# KiCad board Mainboard Small.kicad_pcb (continued)
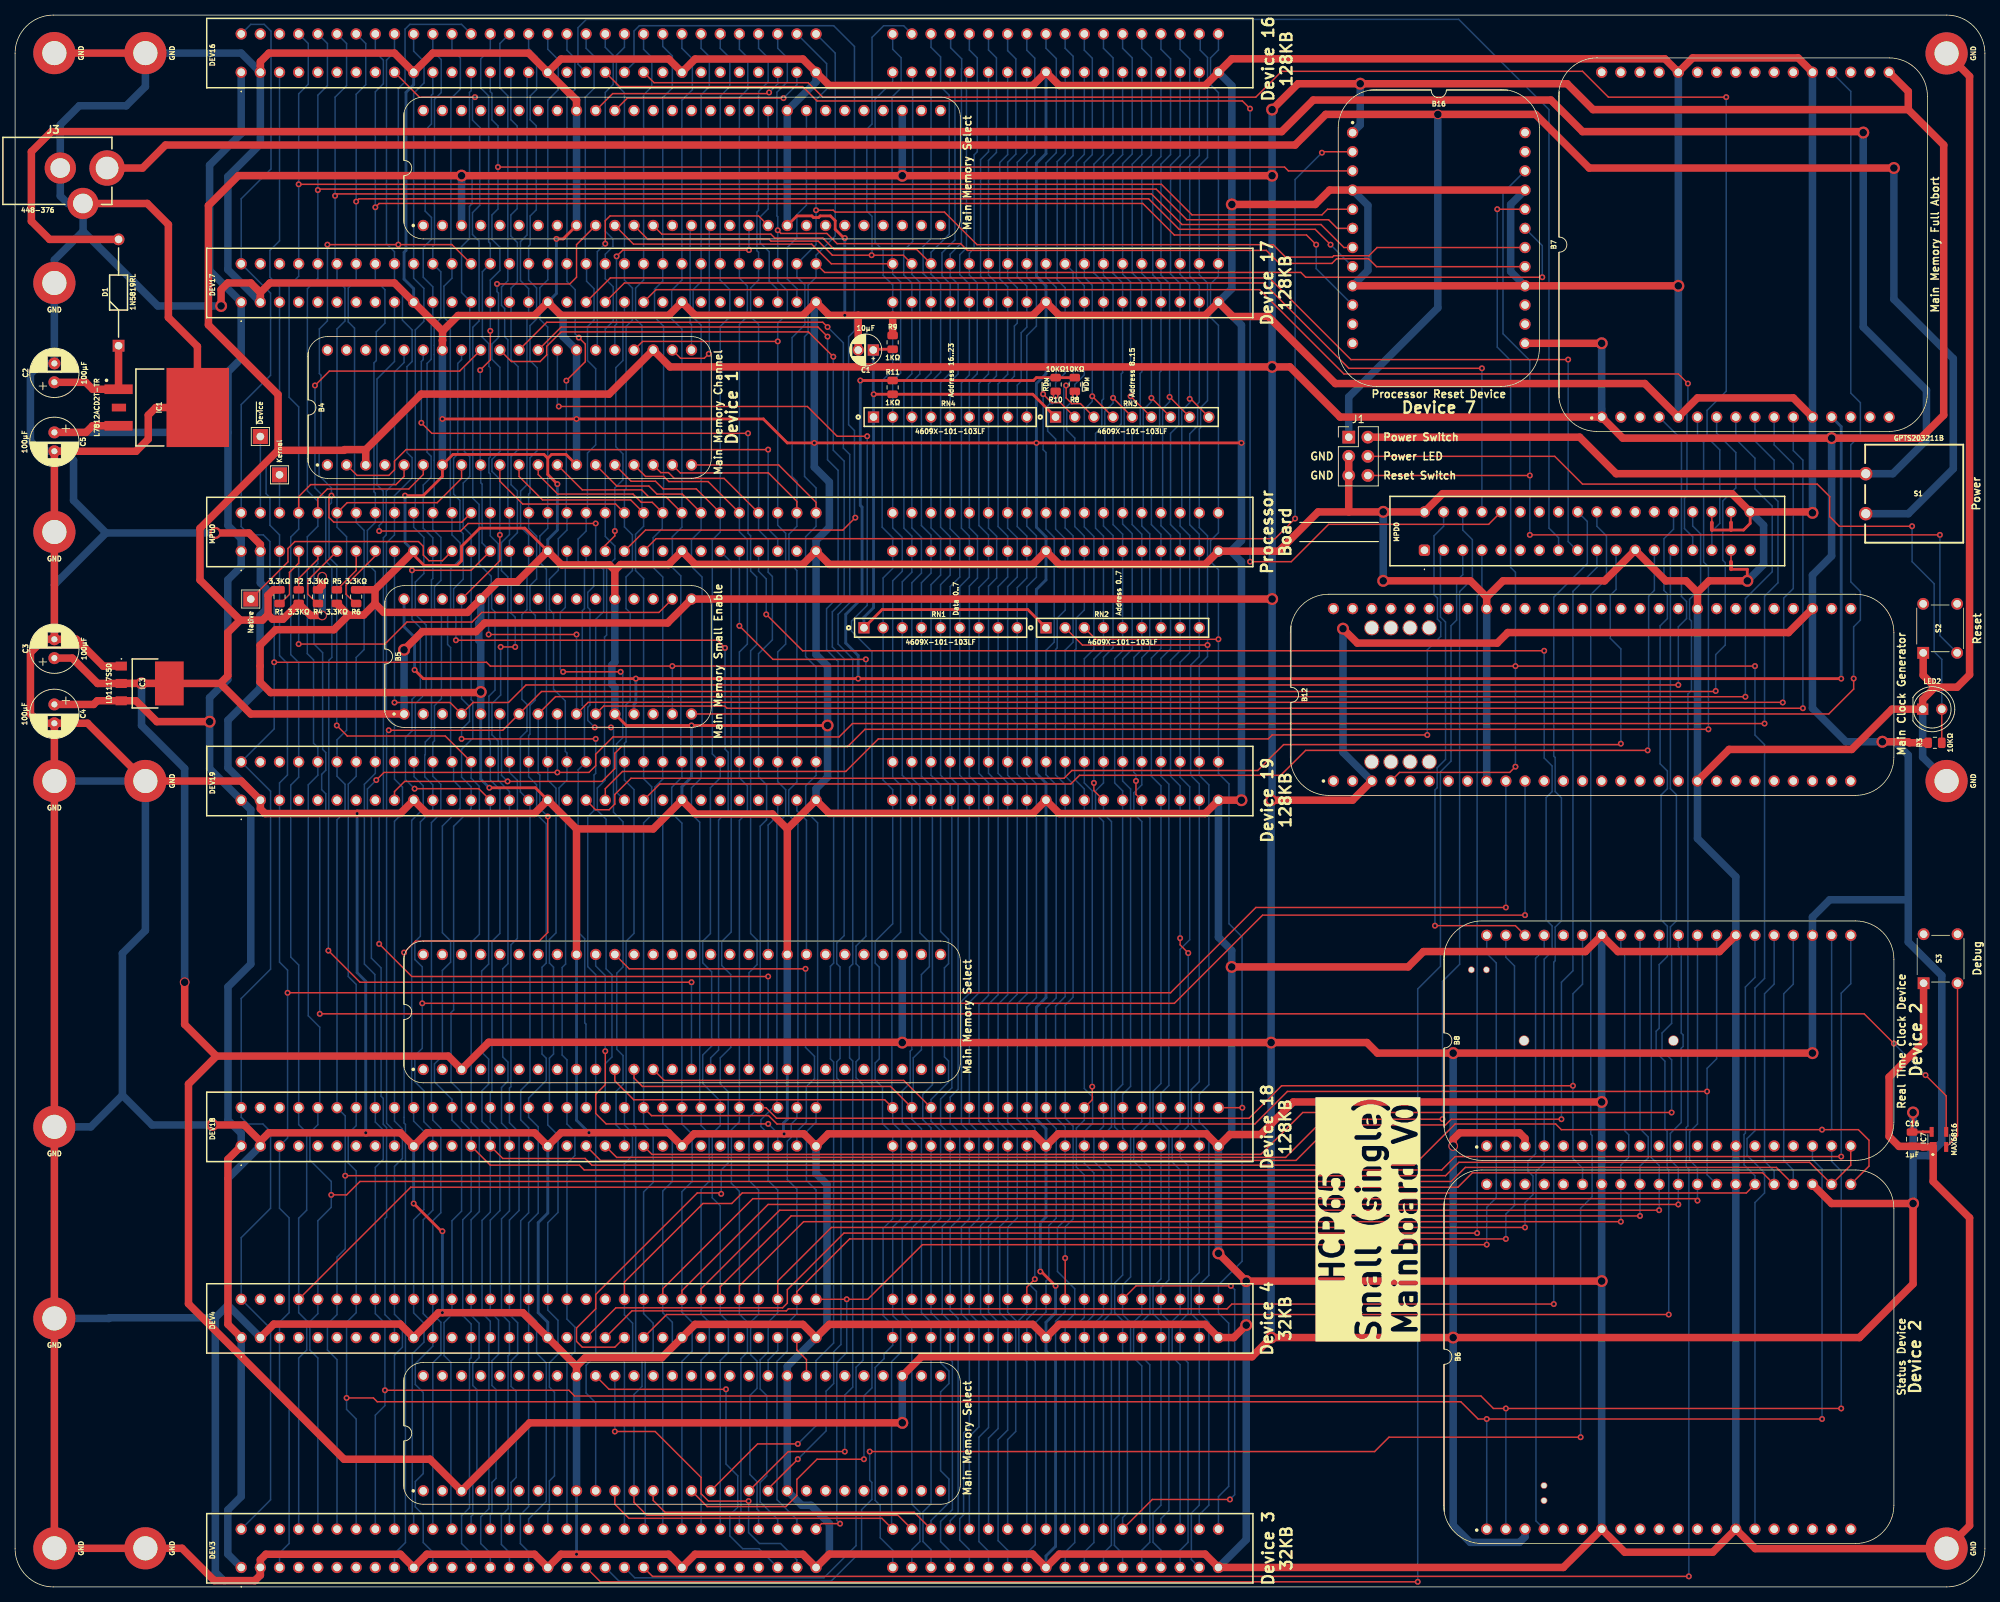
[diagram p0: board, top side]
## Routing (per net, layer and track width the routed paths; a pad name or vN(x,y) marks a point on that pad's centre or on a via; arc(x,y) is an arc through that point) (continued)
/DM1: length 204.2
  Bottom w0.2: DEV3.D7 131.57,4.87 130.3,6.14 130.3,19.52 131.57,20.79 DEV4.D7 131.57,35.31 130.52,36.36 130.52,47.76 131.57,48.81 DEV18.D7 131.57,60.49 130.3,61.76 130.3,77.26 131.57,78.53 DEV19.D7 131.57,106.6 130.3,107.87 RN1.8 130.3,132.64 131.57,133.91 MPU0.D7 131.57,139.33 130.3,140.6 130.3,159.52 131.57,160.79 DEV17.D7 131.57,172.39 130.52,173.44 130.52,188.86 131.57,189.91 DEV16.D7
/DM2: length 204.2
  Bottom w0.2: DEV3.D6 129.03,4.74 127.76,6.01 127.76,19.85 129.03,21.12 DEV4.D6 129.03,35.18 127.98,36.24 127.98,47.88 129.03,48.94 DEV18.D6 129.03,60.49 127.76,61.76 127.76,77.16 129.03,78.43 DEV19.D6 129.03,106.6 127.76,107.87 RN1.7 127.76,132.51 129.03,133.78 MPU0.D6 129.03,139.46 127.76,140.73 127.76,159.56 129.03,160.83 DEV17.D6 129.03,172.73 127.98,173.79 127.98,189.24 129.03,190.3 DEV16.D6
/DM3: length 203.5
  Bottom w0.2: DEV3.D5 126.49,4.94 125.22,6.21 125.22,9.06 125.73,9.57 125.73,20.41 126.49,21.18 DEV4.D5 126.49,35.18 125.44,36.24 125.44,47.76 126.49,48.81 DEV18.D5 126.49,60.33 125.44,61.38 125.44,77.64 126.49,78.69 DEV19.D5 126.49,106.35 125.22,107.62 RN1.6 125.22,132.64 126.49,133.91 MPU0.D5 126.49,139.33 125.44,140.38 125.44,159.65 126.49,160.7 DEV17.D5 126.49,172.74 125.22,174.01 125.22,176.64 126.11,177.53 126.11,200.46
/DM4: length 204.9
  Bottom w0.2: DEV19.D4 123.95,106.35 122.68,107.62 RN1.5 122.68,132.89 123.95,134.16 MPU0.D4 123.95,139.24 122.68,140.51 122.68,159.69 123.95,160.96 DEV17.D4 123.95,172.77 122.87,173.85 122.87,176.89 124.59,178.61 124.59,198.55 123.95,199.19 DEV16.D4 ; 124.17,104.1 124.17,66.17 122.68,64.68 122.68,61.25 123.95,59.98 DEV18.D4 123.95,48.85 122.89,47.79 122.89,36.24 123.95,35.18 DEV4.D4 123.95,30.18 124.24,29.89 124.24,10.25 122.68,8.69 122.68,6.01 123.95,4.74 DEV3.D4
/DM5: length 204
  Bottom w0.2: 121.6,104.13 121.6,66.58 120.32,65.31 120.32,61.97 121.41,60.87 121.41,58.46 ; DEV19.D3 121.41,106.22 120.14,107.49 RN1.4 120.14,133.15 121.41,134.42 MPU0.D3 121.41,139.46 120.14,140.73 120.14,159.69 121.41,160.96 DEV17.D3 121.41,173.11 120.36,174.17 120.36,177.73 121.41,178.79 DEV16.D3 ; DEV18.D3 121.41,48.81 120.14,47.54 120.14,36.36 121.41,35.09 DEV4.D3 121.41,11.01 120.35,9.95 120.35,6.01 121.41,4.94 DEV3.D3
/DM6: length 203.6
  Bottom w0.2: 118.87,32.62 118.87,10.96 119.93,9.9 119.93,6.01 118.87,4.95 DEV3.D2 ; DEV4.D2 118.87,35.03 117.6,36.3 117.6,47.54 118.87,48.81 DEV18.D2 118.87,60.37 117.6,61.64 117.6,65.78 118.65,66.83 118.65,71.03 118.87,71.25 DEV19.D2 118.87,106.35 117.6,107.62 RN1.3 117.6,133.27 118.87,134.54 MPU0.D2 118.87,139.33 117.82,140.38 117.82,159.82 118.87,160.87 DEV17.D2 118.87,172.9 117.79,173.98 117.79,177.19 118.98,178.37 118.98,200.73
/DM7: length 207.8
  Bottom w0.2: DEV3.D1 116.33,4.87 114.68,6.52 114.68,10.8 114.01,11.47 114.01,29.09 115.19,30.27 115.19,30.9 116.33,32.04 DEV4.D1 116.33,34.71 115.06,35.98 115.06,47.54 116.33,48.81 DEV18.D1 116.33,60.07 114.98,61.43 114.98,66.25 114.01,67.22 114.01,69.47 114.55,70.02 114.55,82.17 114.01,82.72 114.01,85.61 116.33,87.93 DEV19.D1 116.33,105.71 115.06,106.98 RN1.2 115.06,133.78 116.33,135.05 MPU0.D1 116.33,139.11 114.93,140.51 114.93,159.94 116.33,161.34 DEV17.D1 116.33,172.64 115.06,173.91 115.06,177.21 114,178.28 114,197.28 116.33,199.62 DEV16.D1
/D~{CLK}: length 203.7
  Bottom w0.2: DEV3.B16 68.07,4.66 66.98,5.76 66.98,9.57 68.07,10.66 DEV4.B16 68.07,35.06 67.02,36.11 67.02,48.55 68.07,49.61 DEV18.B16 68.07,60.87 67.02,61.92 67.02,65.84 68.25,67.07 68.25,104.14 ; 67.86,200.63 67.86,179.26 66.99,178.39 66.99,173.21 68.07,172.13 DEV17.B16 68.07,168.67 67.85,168.45 67.85,146.13 67,145.29 67,140.54 68.07,139.47 MPU0.B16 68.07,135.02 67.85,134.8 67.85,129.59 67.18,128.92 67.18,117.69 67.85,117.02 67.85,113.49 66.98,112.62 66.98,105.41 DEV19.B16
/D~{RD}: length 419.4
  Top w0.2: DEV18.B13 62.99,55.92 74.8,55.92 75.44,55.29 189.1,55.29 190.88,57.06 v3(242.06,57.06)
  Bottom w0.2: v3(242.06,57.06) 242.06,78.72 243.33,79.99 B8.21 ; 60.27,169.82 60.27,162.56 59.56,161.85 59.56,150.54 60.27,149.84 60.27,147.24 59.4,146.37 59.4,140.55 60.45,139.5 MPU0.B13 60.45,117.65 60.67,117.43 60.67,112.54 59.18,111.05 59.18,107.36 60.45,106.09 DEV19.B13 60.45,103.17 58.13,100.85 58.13,76.49 57.78,76.15 57.78,66.97 59.18,65.57 59.18,61.76 60.45,60.49 DEV18.B13 60.45,49.79 59.34,48.68 59.34,35.98 60.45,34.87 DEV4.B13 60.45,30.39 60.23,30.17 60.23,10.49 59.18,9.44 59.18,5.76 60.45,4.49 DEV3.B13 ; DEV16.B13 60.45,198.39 60.23,198.17 60.23,187.58 60.58,187.23 60.58,183.4 60.23,183.06 60.23,178.77 59.18,177.72 59.18,171.63 DEV17.B13
/D~{WD}: length 558
  Top w0.2: DEV18.B14 64.64,56.81 75.56,56.81 76.45,55.92 185.42,55.92 190.88,61.38 204.22,61.38 204.97,60.63 v3(239.52,60.63) 244.34,60.63 245.74,59.22 245.74,55.79 B6.21 ; v3(52.96,105.84) 61.47,105.84 DEV19.B14 ; v3(61.66,161.34) 62.99,162.68 v3(62.99,166.55) ; B16.3 168.78,187.76 168.27,188.26 v3(64.01,188.26) ; v3(52.61,134.8) 60.45,134.8 MPU0.B14
  Bottom w0.2: MPU0.B14 61.9,138.43 61.9,146.23 61.72,146.41 B4.9 ; v3(52.96,105.84) 51.75,107.05 51.75,112.64 52.61,113.5 52.61,117.69 53.72,118.79 53.72,127.18 52.61,128.29 v3(52.61,134.8) ; DEV16.B14 62.99,198.26 63.21,198.04 63.21,194.52 64.01,193.72 v3(64.01,188.26) 64.01,182.71 63.21,181.91 63.21,178.68 64.26,177.63 64.26,174.55 62.99,173.28 DEV17.B14 v3(62.99,166.55) ; v3(239.52,60.63) 240.66,60.63 240.79,60.76 B8.22 ; DEV4.B14 62.99,35.22 61.9,36.32 61.9,48.6 62.99,49.7 62.99,57.98 ; 61.66,148.83 v3(61.66,161.34) ; DEV18.B14 62.99,60.62 61.89,61.72 61.89,65.79 62.77,66.67 62.77,69.98 61.85,70.91 61.85,81.67 62.77,82.59 62.77,102.41 62.99,102.63 DEV19.B14 ; DEV3.B14 62.99,4.49 61.72,5.76 61.72,9.28 62.81,10.37 62.81,32.88
/HD0: length 466.7
  Top w0.2: DEV3.A31 106.9,8.39 v3(109.36,8.39) ; MPU0.A31 106.17,143.81 101.22,148.77 B4.20 ; DEV17.A31 107.31,174.29 170.43,174.29 171.07,173.66 v3(202.44,173.66) ; v3(195.07,45.39) 195.06,45.38 120.27,45.38 113.03,38.14 v3(110.24,38.14) DEV4.A31
  Bottom w0.2: v3(195.07,45.39) 195.07,50.33 196.34,51.6 196.34,82.73 195.07,84 B8.40 ; v3(202.44,173.66) 202.44,177.85 B16.19 ; 106.38,63.75 106.38,101.32 104.8,102.9 104.8,106.22 106.17,107.6 DEV19.A31 106.17,121.97 104.78,123.36 104.78,139.24 106.17,140.63 MPU0.A31 106.17,145.72 104.65,147.24 104.65,165.78 105.12,166.26 105.12,172.61 106.17,173.66 DEV17.A31 106.17,176.58 108.71,179.12 108.71,203.38 DEV16.A31 ; v3(110.24,38.14) 110.24,31.07 108.92,29.76 108.92,8.82 v3(109.36,8.39) ; DEV4.A31 106.17,52.63 104.9,53.9 104.9,60.36 106.17,61.63 DEV18.A31
/HD1: length 464.1
  Top w0.2: B16.18 180.54,177.6 179.45,176.51 174.81,176.51 174.62,176.33 168.4,176.33 166.75,177.98 127.51,177.98 123.19,182.29 108.71,182.29 108.46,182.55 v3(106.17,182.55) ; DEV4.A30 103.63,39.16 110.64,46.16 110.65,46.14 v3(197.61,46.14) ; MPU0.A30 103.63,143.94 99.86,147.71 88.17,147.71 B4.19
  Bottom w0.2: DEV16.A30 107.57,201.98 107.57,198.59 106.17,197.19 v3(106.17,182.55) 106.17,177.98 DEV17.A30 103.63,173.7 104.69,172.64 104.69,167.35 103,165.66 103,147.24 103.63,146.61 MPU0.A30 103.63,140.64 102.58,139.59 102.58,135.81 103.63,134.76 DEV19.A30 103.63,106.73 102.55,105.65 102.55,102.35 103.77,101.13 103.77,63.68 ; B8.39 197.61,83.48 198.75,82.34 198.75,50.59 197.61,49.44 v3(197.61,46.14) ; DEV3.A30 103.63,8.93 101,11.57 101,29.92 102.36,31.28 102.36,34.97 103.63,36.24 DEV4.A30 103.63,52.75 102.36,54.02 102.36,59.1 102.88,59.62 102.88,61.38 103.63,62.13 DEV18.A30
/HD2: length 472.2
  Top w0.2: v3(101.09,179.88) 101.51,179.47 107.6,179.47 108.97,178.1 125.35,178.1 126.24,177.21 165.86,177.21 167.59,175.49 174.55,175.49 175.17,176.11 179.42,176.11 180.47,175.06 B16.17 ; v3(200.15,47.67) 108.2,47.67 101.09,40.55 DEV4.A29 ; v3(101.09,165.15) 83.18,165.15 B4.24
  Bottom w0.2: v3(200.15,47.67) 200.15,50.97 201.2,52.02 201.2,54.49 200.53,55.16 200.53,56.43 201.55,57.44 201.55,83.35 202.69,84.5 B8.37 ; DEV16.A29 101.09,204.01 102.36,202.74 102.36,199.57 100.99,198.19 100.99,181.79 101.09,181.68 v3(101.09,179.88) DEV17.A29 101.09,173.15 102.36,171.88 102.36,168.83 101.09,167.56 v3(101.09,165.15) MPU0.A29 101.09,140.77 102.14,139.71 102.14,125.02 101.09,123.97 DEV19.A29 101.09,106.77 102.14,105.71 102.14,102.32 100.99,101.16 100.99,63.65 ; 100.47,63.54 98.86,61.94 98.86,61.05 99.82,60.09 99.82,53.89 101.09,52.62 DEV4.A29 101.09,36.36 99.82,35.09 99.82,31.16 98.76,30.1 98.76,26.25 99.63,25.38 99.63,14.71 98.76,13.84 98.76,11.26 101.09,8.93 DEV3.A29
/Kernal: length 5
  Bottom w0.2: MPU0.A3 TP2.1
/MPU0_{M}: length 8.4
  Top w0.2: 47.75,136.71 43.87,132.83 43.87,131.63 45.11,130.39
/MPU1_{M}: length 6.2
  Top w0.2: MPU0.B7 45.21,134.78 R5.2
/MPU CLK: length 387.6
  Top w0.2: v3(197.61,90.09) 164.47,90.09 153.16,78.78 v3(36.12,78.78)
  Bottom w0.2: DEV16.B3 35.05,178.48 33.78,177.21 33.78,173.66 35.05,172.39 DEV17.B3 35.05,151.31 33.27,149.53 33.27,144.96 33.78,144.45 33.78,140.77 35.05,139.5 MPU0.B3 35.05,123.49 36.1,122.44 36.1,107.65 35.05,106.6 DEV19.B3 35.05,82.84 36.12,81.78 v3(36.12,78.78) 36.12,59.53 DEV18.B3 35.05,50.21 36.32,48.94 36.32,36.36 35.05,35.09 DEV4.B3 35.05,25.82 36.32,24.55 36.32,5.76 35.05,4.49 DEV3.B3 ; B12.10 v3(197.61,90.09)
/M~{RD}: length 206.9
  Top w0.2: R10.2 v3(137.93,157.91)
  Bottom w0.2: DEV3.D10 139.19,4.61 140.46,5.88 140.46,30.01 139.19,31.28 DEV4.D10 139.19,34.97 140.46,36.24 140.46,39.54 138.18,41.82 138.18,47.65 139.19,48.67 DEV18.D10 139.19,61 137.92,62.27 137.92,77 139.19,78.27 DEV19.D10 139.19,106.4 137.92,107.67 137.92,124.29 138.14,124.51 138.14,128.45 139.19,129.5 MPU0.D10 139.19,138.99 137.93,140.25 137.93,152.2 136.87,153.26 136.87,156.61 137.16,156.89 137.54,156.89 137.93,157.29 v3(137.93,157.91) 137.93,159.7 139.19,160.96 DEV17.D10 139.19,172.26 138.13,173.32 138.13,188.98 139.19,190.04 DEV16.D10
/M~{WD}: length 206
  Top w0.2: R8.2 v3(140.47,157.91)
  Bottom w0.2: DEV16.D11 141.73,189.95 140.68,188.9 140.68,173.57 141.73,172.52 DEV17.D11 141.73,160.7 140.47,159.44 v3(140.47,157.91) 140.47,157.16 140.21,156.89 139.79,156.89 139.41,156.51 139.41,153.38 140.47,152.32 140.47,140.59 141.73,139.33 MPU0.D11 141.73,129.54 140.64,128.45 140.64,124.38 140.46,124.2 140.46,107.07 141.73,105.8 DEV19.D11 141.73,66.08 142.83,64.99 142.83,61.46 141.73,60.37 DEV18.D11 141.73,56.17 143,54.9 143,36.07 141.73,34.8 DEV4.D11 141.73,31.28 143,30.01 143,5.88 141.73,4.61 DEV3.D11
/Native Latch: length 33.1
  Top w0.2: MPU0.B12 56.64,136.07 54.86,136.07 54.1,136.83 54.1,137.98 53.48,138.61 37.08,138.61 36.17,137.69 36.17,135.91 TP3.1
/~{ABORT}: length 9.1
  Top w0.2: MPU0.B6 38.81,133.48 38.81,131.63 40.05,130.39
/~{Device}: length 10.1
  Bottom w0.2: MPU0.A2 TP1.1
/~{Enable} DEV1: length 1.4
  Top w0.2: NT1.1 227.46,142.54
/~{Enable} DEV2: length 1.4
  Top w0.2: NT3.1 224.92,142.54
/~{Enable} DEV3: length 281.8
  Top w0.2: v3(221.87,1.4) 84.49,1.4 DEV3.B22
  Bottom w0.2: 222.38,142.54 222.38,140.67 223.43,139.62 223.43,132.42 221.96,130.95 221.96,128.32 222.21,128.07 222.21,118.87 221.74,118.4 221.74,61.13 221.52,60.91 221.52,55.76 221.87,55.41 v3(221.87,1.4)
/~{Enable} DEV4: length 247.1
  Top w0.2: DEV4.B22 86.37,36.12 v3(219.2,36.12)
  Bottom w0.2: 219.84,142.54 219.84,140.26 218.57,138.99 218.57,132.13 219.02,131.67 219.02,128.39 218.06,127.43 218.06,109.14 219.02,108.18 219.02,105.84 218.19,105 218.19,88.44 219.02,87.61 219.02,83.61 217.93,82.52 217.93,74.08 217.53,73.68 217.53,70.87 218.69,69.71 218.69,60.75 218.98,60.46 218.98,55.54 219.2,55.32 v3(219.2,36.12)
/~{Enable} DEV7: length 1.5
  Top w0.2: 227.46,135.93 MPD0.33
/~{Enable} DEV16: length 210
  Top w0.2: DEV16.B22 84.69,199.45 105.14,199.45 107.06,197.53 164.46,197.53 167.89,200.96 207.77,200.96 211.2,197.53 v3(226.82,197.53)
  Bottom w0.2: v3(226.82,197.53) 226.82,158.55 224.28,156.01 224.28,152.45 225.97,150.76 225.97,141.02 224.92,139.97 MPD0.31
/~{Enable} DEV17: length 167.1
  Top w0.2: DEV17.B22 84.96,172.01 164.97,172.01 176.15,160.83 220.47,160.83 v3(221.74,159.56)
  Bottom w0.2: v3(221.74,159.56) 221.74,157.02 221.61,156.89 221.61,144.7 221.29,144.37 221.29,140.33 222.38,139.24 222.38,137.34
/~{Enable} DEV18: length 214.8
  Top w0.2: v3(219.58,62.91) 170.69,62.91 165.14,57.36 84.42,57.36 DEV18.B22
  Bottom w0.2: 219.42,136.92 219.42,105.84 220.22,105.04 220.22,88.31 219.42,87.52 219.42,84.53 219.58,84.37 219.58,74.72 218.31,73.45 218.31,71.16 219.58,69.89 v3(219.58,62.91)
/~{Enable} DEV19: length 162.6
  Top w0.2: DEV19.B22 85.46,106.47 139.94,106.47 141.1,107.62 167.77,107.62 171.07,110.92 v3(216.41,110.92)
  Bottom w0.2: 217.3,137.34 217.3,132.13 216.53,131.37 216.53,111.05 v3(216.41,110.92)
/~{Interrupt} DEV2: length 63.2
  Top w0.2: B8.38 198.87,87.68 v3(188.21,87.68)
  Bottom w0.2: 189.36,137.34 188.94,136.92 188.94,128.61 189.61,127.94 189.61,109.72 188.5,108.61 188.5,105.97 188.21,105.68 v3(188.21,87.68)
/~{Interrupt} DEV3: length 250.2
  Top w0.2: DEV3.B19 77.6,0.68 v3(185.93,0.68)
  Bottom w0.2: 191.9,137.34 191.9,134.21 191.08,133.4 191.08,128.19 190.34,127.45 190.34,109.49 188.94,108.09 188.94,82.3 185.93,79.29 v3(185.93,0.68)
/~{Interrupt} DEV4: length 215.7
  Top w0.2: DEV4.B19 79.64,37.01 101.73,37.01 102.36,37.63 102.36,39.41 109.87,46.92 v3(193.8,46.92)
  Bottom w0.2: MPD0.7 194.44,132 193.8,131.37 v3(193.8,46.92)
/~{Interrupt} DEV16: length 199.6
  Bottom w0.2: DEV16.B19 74.61,201.92 74.61,206.74 75.72,207.85 191.36,207.85 203.33,195.88 203.33,140.38 204.6,139.11 204.6,137.34
/~{Interrupt} DEV17: length 161.9
  Top w0.2: v3(205.87,162.74) 177.07,162.74 166.24,173.57 78.9,173.57 DEV17.B19
  Bottom w0.2: 207.14,137.34 205.87,138.61 v3(205.87,162.74)
/~{Interrupt} DEV18: length 209.6
  Top w0.2: v3(204.98,62.02) 190.37,62.02 189.61,61.25 174.5,61.25 169.8,56.56 77.6,56.56 DEV18.B19
  Bottom w0.2: v3(204.98,62.02) 204.98,80.18 206.5,81.7 206.5,132 209.68,135.18 209.68,137.34
/~{Interrupt} DEV19: length 168.5
  Top w0.2: v3(212.85,111.81) 212.72,111.68 168.15,111.68 164.72,108.25 140.08,108.25 139.05,107.22 81.65,107.22 79.5,105.08 79.5,103.81 78.74,103.05 76.96,103.05 DEV19.B19
  Bottom w0.2: v3(212.85,111.81) 212.85,124.38 211.45,125.78 211.45,131.49 212.22,132.26 212.22,137.34
/~{Main Access}: length 377.8
  Top w0.2: v3(53.97,77.38) 153.67,77.38 165.36,89.08 v3(200.15,89.08)
  Bottom w0.2: DEV16.B11 55.37,197.97 55.19,197.79 55.19,193.98 54.36,193.14 54.36,182.42 55.19,181.59 55.19,178.69 54.1,177.6 54.1,173.66 55.37,172.39 DEV17.B11 55.37,168.07 55.15,167.85 55.15,162.77 54.61,162.23 54.61,150.45 55.15,149.91 55.15,147.15 54.1,146.1 54.1,140.38 55.37,139.11 MPU0.B11 55.37,133.71 55.19,133.53 55.19,112.85 54.37,112.03 54.37,110.37 54.3,110.3 54.3,107.42 55.37,106.35 DEV19.B11 55.37,103.08 53.72,101.43 53.72,86.28 52.99,85.55 52.99,83.19 53.97,82.21 v3(53.97,77.38) 53.97,71.41 52.99,70.43 52.99,66.99 54.18,65.8 54.18,61.68 55.37,60.49 DEV18.B11 55.37,49.95 54.1,48.68 54.1,36.24 55.37,34.97 DEV4.B11 55.37,31.92 53.05,29.6 53.05,26.84 54.1,25.79 54.1,15.03 53.05,13.98 53.05,10.62 54.1,9.57 54.1,5.88 55.37,4.61 DEV3.B11 ; B12.11 v3(200.15,89.08)
/~{Main}3: length 333.4
  Top w0.2: v3(229.36,118.03) 86.61,118.03 86.61,118.04 71.63,118.04 B5.8 ; v3(51.56,84.11) 53.09,85.64 69.47,85.64 70.61,86.78 v3(70.61,102.16)
  Bottom w0.2: v3(51.56,84.11) 51.56,61.51 51.74,61.33 51.74,5.88 50.29,4.43 DEV3.B9 ; v3(229.36,118.03) 229.36,131.05 232.92,134.61 232.92,143.31 230.63,145.59 230.63,149.66 228.09,152.2 B7.8 ; v3(70.61,102.16) 69.56,103.21 69.56,107.65 69.34,107.87 B5.8
/~{Main}4: length 314.5
  Top w0.2: v3(231.9,114.48) 111,114.48 109.22,112.7 79.25,112.7 76.96,110.41 76.96,108.89 76.07,108 v3(71.88,108) 48.89,108 v3(47.88,106.98)
  Bottom w0.2: v3(71.88,108) B5.9 ; B7.9 230.63,151.94 233.17,149.4 233.17,144.45 233.68,143.94 233.68,133.15 231.9,131.37 v3(231.9,114.48) ; v3(47.88,106.98) 46.7,105.81 46.7,102.79 47.23,102.26 47.23,83.37 48.51,82.08 48.51,65.06 48.8,64.78 48.8,61.35 49.24,60.91 49.24,49.03 49.02,48.81 49.02,36.11 50.29,34.84 DEV4.B9
/~{Main}16: length 308.3
  Top w0.2: B5.10 75.96,117.29 234.3,117.29 v3(234.31,117.27) ; DEV16.B9 53.59,197.53 v3(60.96,197.53) ; v3(62.77,126.29) v3(74.42,126.29)
  Bottom w0.2: v3(62.77,126.29) 62.77,132.73 63.12,133.08 63.12,134 61.5,135.62 61.5,143.53 60.67,144.36 60.67,167.02 61.5,167.85 61.5,178.45 60.63,179.32 60.63,182.22 61.59,183.18 61.59,193.52 60.63,194.49 60.63,197.21 v3(60.96,197.53) ; v3(234.31,117.27) 234.44,117.4 234.44,131.11 235.71,132.38 235.71,148.89 233.17,151.43 B7.10 ; v3(74.42,126.29) 74.42,126.29 B5.10
/~{Main}17: length 286.8
  Top w0.2: v3(48.26,140) 59.05,140 60.06,141.01 v3(76.96,141.01) ; 94.11,116.76 94.36,116.51 v3(236.98,116.51) ; B5.11 78.01,116.8 94.07,116.8
  Bottom w0.2: B7.11 235.71,150.67 236.98,149.4 v3(236.98,116.51) ; v3(76.96,141.01) 76.96,135.94 78.01,134.89 78.01,129.34 76.96,128.29 B5.11 ; v3(48.26,140) 48.26,140.73 48.8,141.27 48.8,145.3 47.97,146.13 47.97,160.16 50.29,162.48 DEV17.B9
/~{Main}18: length 272.5
  Top w0.2: v3(49.53,113.59) 64.64,113.59 B5.7 69.78,118.73 225.36,118.73 v3(225.42,118.79)
  Bottom w0.2: B7.7 225.55,152.96 228.09,150.42 228.09,145.72 226.37,143.99 226.37,136.14 226.69,135.81 226.69,124.89 225.42,123.62 v3(225.42,118.79) ; DEV18.B9 50.29,60.42 49.24,61.47 49.24,113.3 v3(49.53,113.59)
/~{Main}19: length 231.3
  Top w0.2: DEV19.B9 50.29,105.46 51.64,106.81 v3(65.28,106.81) 77.8,106.81 79.5,108.51 79.5,110.54 80.39,111.43 110.36,111.43 112.65,113.71 v3(224.46,113.71)
  Bottom w0.2: v3(65.28,106.81) 64.48,107.6 64.48,112.44 64.26,112.66 B5.6 ; v3(224.46,113.71) 224.46,135.25 223.83,135.89 223.83,151.76 223.01,152.58 B7.6
/~{Main} MPU: length 229.9
  Top w0.2: v3(50.29,117.27) 57.66,117.27 B5.4 60.71,117.27 65.4,117.27 67.73,119.59 v3(220.47,119.59)
  Bottom w0.2: B7.4 220.89,152.16 220.89,131.33 221.56,130.66 221.56,128.39 220.47,127.3 v3(220.47,119.59) ; MPU0.B9 v3(50.29,117.27)
/~{Main}_{M}: length 203.3
  Top w0.2: v3(63.88,172.77) 73.53,172.77 74.42,173.66 74.42,177.98 B1.10 ; B5.29 64.26,136.07 v3(64.26,139.5) ; v3(59.18,112.44) v3(76.96,112.44)
  Bottom w0.2: v3(63.88,172.77) 63.88,171.75 64.08,171.56 64.08,165.66 63.21,164.8 63.21,162.77 64.26,161.72 64.26,150.54 63.21,149.49 63.21,147.91 64.26,146.86 v3(64.26,139.5) ; v3(76.96,112.44) 76.96,107.87 76.74,107.65 76.74,102.95 75.91,102.12 75.91,82.24 76.96,81.19 B2.10 76.96,30.65 75.69,29.38 75.69,25.69 76.96,24.42 B3.10 ; v3(59.18,112.44) 59.18,113.71 60.23,114.77 60.23,116.73 59.18,117.78 B5.29
/~{Memory Fail}: length 240.2
  Top w0.2: v3(243.71,120.45) 243.71,119.05 240.41,115.75 B5.16
  Bottom w0.2: B7.20 243.33,198.3 243.33,158.29 244.6,157.02 244.6,152.7 243.33,151.43 243.33,133.27 244.6,132 244.6,128.19 243.71,127.3 v3(243.71,120.45)
/~{Memory Hi}_{ Device}3: length 43.3
  Top w0.2: v3(97.23,11.38) 91.91,11.38 90.93,12.36 90.93,14.52 84.84,20.61 v3(79.5,20.61)
  Bottom w0.2: DEV3.B30 103.63,3.6 101.47,5.76 98.68,5.76 97.23,7.2 v3(97.23,11.38) ; B3.46 v3(79.5,20.61)
/~{Memory Hi}_{ Device}4: length 5.6
  Top w0.2: DEV4.B30 103.63,31.41 104.9,30.14 B3.36
/~{Memory Hi}_{ Device}16: length 27
  Top w0.2: B1.46 81.15,197.41 v3(101.85,197.41)
  Bottom w0.2: v3(101.85,197.41) 103.63,199.19 103.63,200.67
/~{Memory Hi}_{ Device}17: length 27
  Bottom w0.2: B1.36 104.9,183.23 103.63,181.96 103.63,178.87 102.36,177.6 102.36,173.4 103.63,172.13 DEV17.B30
/~{Memory Hi}_{ Device}18: length 51
  Top w0.2: B2.46 81.41,81.96 v3(104.77,81.96)
  Bottom w0.2: DEV18.B30 103.63,60.41 104.88,61.66 104.88,66.32 105.97,67.4 105.97,70.35 104.77,71.54 v3(104.77,81.96)
/~{Memory Hi}_{ Device}19: length 21
  Bottom w0.2: DEV19.B30 103.63,102.92 104.9,101.65 B2.36
/~{Memory Lo}_{ Device}3: length 46.6
  Top w0.2: v3(94.23,26.2) 78.74,26.2 B3.47
  Bottom w0.2: DEV3.B29 98.6,5.07 96.44,5.07 94.74,6.77 94.74,9.52 95.79,10.57 95.79,14.74 94.23,16.3 v3(94.23,26.2)
/~{Memory Lo}_{ Device}4: length 5.6
  Bottom w0.2: DEV4.B29 101.09,31.35 99.82,30.08 B3.38
/~{Memory Lo}_{ Device}16: length 27.1
  Top w0.2: v3(99.95,198.16) 99.79,198 79.21,198 B1.47
  Bottom w0.2: v3(99.95,198.16) 101.09,199.3 DEV16.B29
/~{Memory Lo}_{ Device}17: length 26.8
  Bottom w0.2: DEV17.B29 101.09,172.01 99.96,173.14 99.96,177.03 98.77,178.22 98.77,181.66 99.82,182.72 B1.38
/~{Memory Lo}_{ Device}18: length 49
  Top w0.2: v3(99.84,61.4) 78.34,61.4 76.96,62.78 76.96,65.32 78.23,66.59 v3(78.23,71.03)
  Bottom w0.2: v3(78.23,71.03) 78.23,81.07 76.96,82.34 B2.47 ; DEV18.B29 101.09,60.14 v3(99.84,61.4)
/~{Memory Lo}_{ Device}19: length 21
  Bottom w0.2: DEV19.B29 101.09,102.28 99.82,101.01 B2.38
/~{NMI}_{1}: length 72.3
  Top w0.2: 35.16,130.39 36.37,131.6 36.37,134.53 37.59,135.75 MPU0.B4 ; B5.18 85.34,129.21 61.85,129.21 60.58,127.94 51.94,127.94 49.02,125.02 v3(37.59,125.02)
  Bottom w0.2: MPU0.B4 v3(37.59,125.02)
/~{NMI}_{2}: length 294
  Top w0.2: v3(253.24,67.86) 255.98,65.12 IC7.3 ; v3(40.39,75.99) 245.11,75.99 v3(249.05,72.05) ; MPU0.B5 40.13,136.26 37.59,133.72 R2.2
  Bottom w0.2: v3(40.39,75.99) 40.39,102.16 41.18,102.95 41.18,105.17 40.64,105.71 40.64,107.75 41.18,108.29 41.18,110.63 40.77,111.05 40.77,123.87 39.62,125.02 39.62,135.18 40.13,135.69 MPU0.B5 ; v3(253.24,67.86) v3(249.05,72.05)
/~{Reset Switch}: length 143.4
  Top w0.2: v3(255.14,139.5) v3(200.79,139.5) ; J1.6 v3(200.79,147.37)
  Bottom w0.2: v3(200.79,139.5) v3(200.79,147.37) 200.79,162.61 197.23,166.17 197.23,184.83 B16.22 ; v3(255.14,139.5) 255.14,126.14 257.43,123.85
/~{Reset}: length 640
  Top w0.2: v3(198.88,108.76) 198.12,108 183.51,108 B12.4 ; v3(34.35,122.6) 62.48,122.6 62.99,122.1 v3(87.12,122.1) v3(198.88,122.1) v3(230.63,122.1) ; v3(196.47,182.68) B16.20
  Bottom w0.2: B6.15 230.63,50.97 231.9,52.24 231.9,54.9 229.58,57.23 229.58,59.44 230.63,60.49 230.63,79.42 231.9,80.69 231.9,111.68 230.63,112.95 v3(230.63,122.1) ; DEV3.A1 33.86,11.55 33.86,34.25 DEV4.A1 29.97,46.31 33.86,50.21 33.86,60.37 32.85,61.38 30.86,61.38 29.97,62.27 DEV18.A1 29.97,78.02 33.87,81.91 33.87,105.5 DEV19.A1 34.35,113.77 v3(34.35,122.6) 34.35,132.86 33.78,133.42 33.78,138.61 32.89,139.5 31.07,139.5 29.97,140.59 MPU0.A1 29.97,156.77 33.86,160.66 33.86,171.54 DEV17.A1 29.97,184.06 33.92,188.01 33.92,206.28 33.02,207.19 31.24,207.19 DEV16.A1 ; B5.15 v3(87.12,122.1) ; v3(198.88,108.76) v3(198.88,122.1) 198.88,134.54 198.25,135.18 198.25,162.61 196.47,164.39 v3(196.47,182.68)
/~{Reset} DEV3: length 270
  Top w0.2: v3(113.28,17.95) 180.21,17.95 182.12,19.85 v3(207.52,19.85)
  Bottom w0.2: v3(207.52,19.85) 207.52,50.21 209.04,51.73 209.04,59.86 208.86,60.04 208.86,131.57 210.95,133.65 210.95,139.37 209.68,140.64 209.68,142.54 ; DEV3.B20 80.05,0.76 108.17,0.76 112.2,4.8 112.2,10.23 113.57,11.6 113.57,13.85 113.28,14.14 v3(113.28,17.95)
/~{Reset} DEV4: length 235.8
  Top w0.2: DEV4.B20 81.78,36.6 102.23,36.6 102.5,36.87 160.65,36.87 161.29,37.51 v3(203.96,37.51)
  Bottom w0.2: v3(203.96,37.51) 203.96,82.84 204.14,83.03 204.14,87.48 204.98,88.31 204.98,104.62 204.14,105.46 204.14,109.98 203.96,110.16 203.96,131.24 208.41,135.69 208.41,141.27 207.14,142.54
/~{Reset} DEV16: length 183.6
  Top w0.2: v3(163.7,135.94) 169.16,135.94 174.12,140.89 195.33,140.89 196.98,142.54 ; DEV16.B20 80.14,198.93 104.39,198.93 106.3,197.03 162.69,197.03 v3(163.7,196.01)
  Bottom w0.2: v3(163.7,196.01) v3(163.7,135.94)
/~{Reset} DEV17: length 141
  Top w0.2: v3(194.44,161.58) 176.8,161.58 165.48,172.9 80.77,172.9 DEV17.B20
  Bottom w0.2: 194.44,142.54 v3(194.44,161.58)
/~{Reset} DEV18: length 196.4
  Top w0.2: DEV18.B20 79.74,56.96 168.42,56.96 173.48,62.02 189.2,62.02 v3(189.21,62.03)
  Bottom w0.2: v3(189.21,62.03) 189.21,80.29 191.48,82.56 191.48,131.97 193.17,133.65 193.17,138.86 191.9,140.13 191.9,142.54
/~{Reset} DEV19: length 144.7
  Top w0.2: DEV19.B20 78.23,105.84 80.52,108.13 110.11,108.13 114.43,112.44 166.12,112.44 166.63,112.96 v3(187.2,112.96)
  Bottom w0.2: 189.36,142.54 189.36,140.64 188.09,139.37 188.09,131.57 188.54,131.11 188.54,128.32 188.98,127.89 188.98,126.03 187.2,124.26 v3(187.2,112.96)
/~{Select} DEV1: length 72.5
  Top w0.2: v3(99.82,150.8) 51.82,150.8 50.29,149.27 50.29,148.13 49.55,147.38 45.32,147.38 B4.2
  Bottom w0.2: MPU0.B29 101.09,138.99 99.82,140.26 v3(99.82,150.8)
/~{Select} DEV2: length 232.8
  Top w0.2: v3(99.57,128.95) 104.39,124.13 v3(202.69,124.13)
  Bottom w0.2: v3(99.57,128.95) 99.57,133.65 98.55,134.67 MPU0.B28 ; v3(202.69,124.13) 202.69,109.9 203.74,108.85 203.74,105.46 202.95,104.66 202.95,88.44 203.74,87.64 203.74,84.29 202.69,83.23 B8.4 202.69,56.2 201.6,55.11 201.6,54.65 201.6,54.65 201.6,8.75 B6.4
/~{Select} DEV3: length 180.5
  Top w0.2: v3(96.01,127.43) 100.46,122.99 v3(112.78,122.99)
  Bottom w0.2: v3(112.78,122.99) 112.78,86.27 111.47,84.97 111.47,82.62 111.89,82.21 111.89,70.05 111.47,69.64 111.47,67.51 112.39,66.59 112.39,30.05 111.47,29.12 111.47,5.47 107.21,1.21 82.15,1.21 DEV3.B21 ; 96.01,137.11 v3(96.01,127.43)
/~{Select} DEV4: length 125
  Top w0.2: v3(93.6,52.12) 93.48,52.24 90.42,52.24 76.96,38.78 76.96,36.87 74.42,34.33 74.42,32.55 75.18,31.79 79.5,31.79 DEV4.B21
  Bottom w0.2: MPU0.B26 94.92,135.89 94.92,86.83 93.67,85.58 93.67,82.39 94.87,81.19 94.87,71.54 93.47,70.14 93.47,66.72 94.52,65.66 94.52,56.21 93.6,55.29 v3(93.6,52.12)
